# KiCad board mxm_immobilizer.kicad_pcb
title: MXM Immobilizer; rev: v1; company: WifiCable
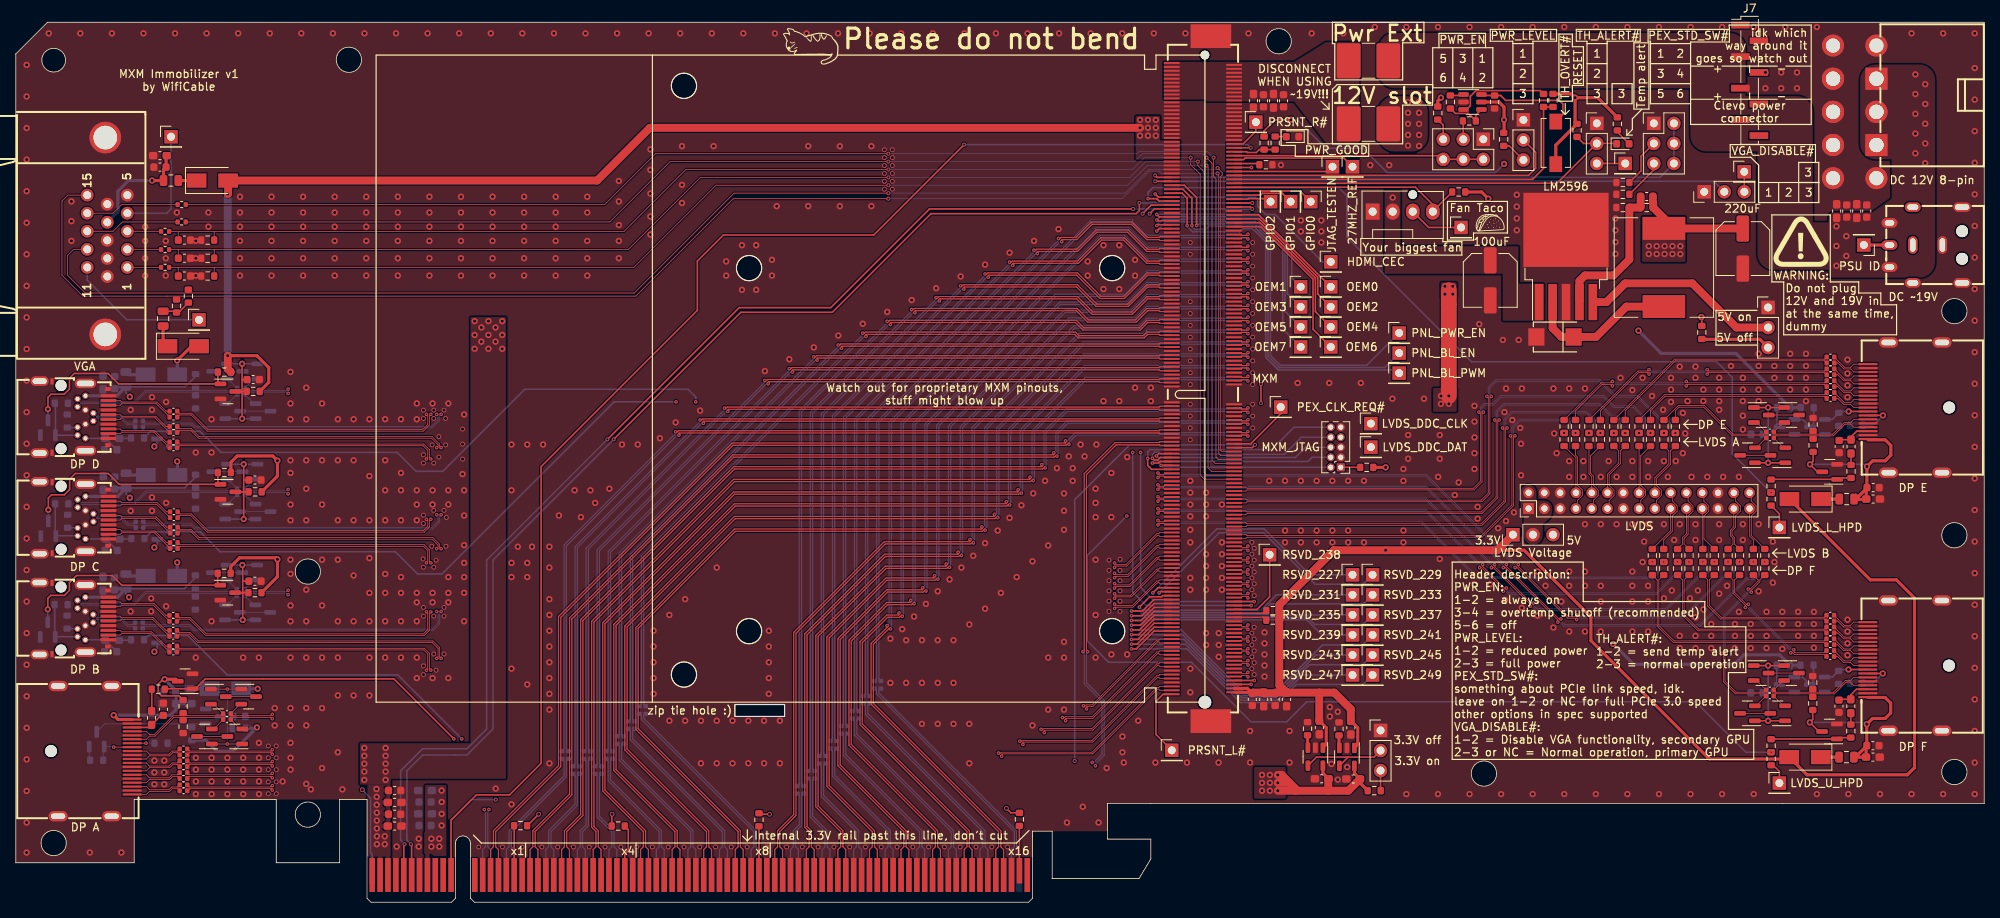
[diagram p0: board, top side]
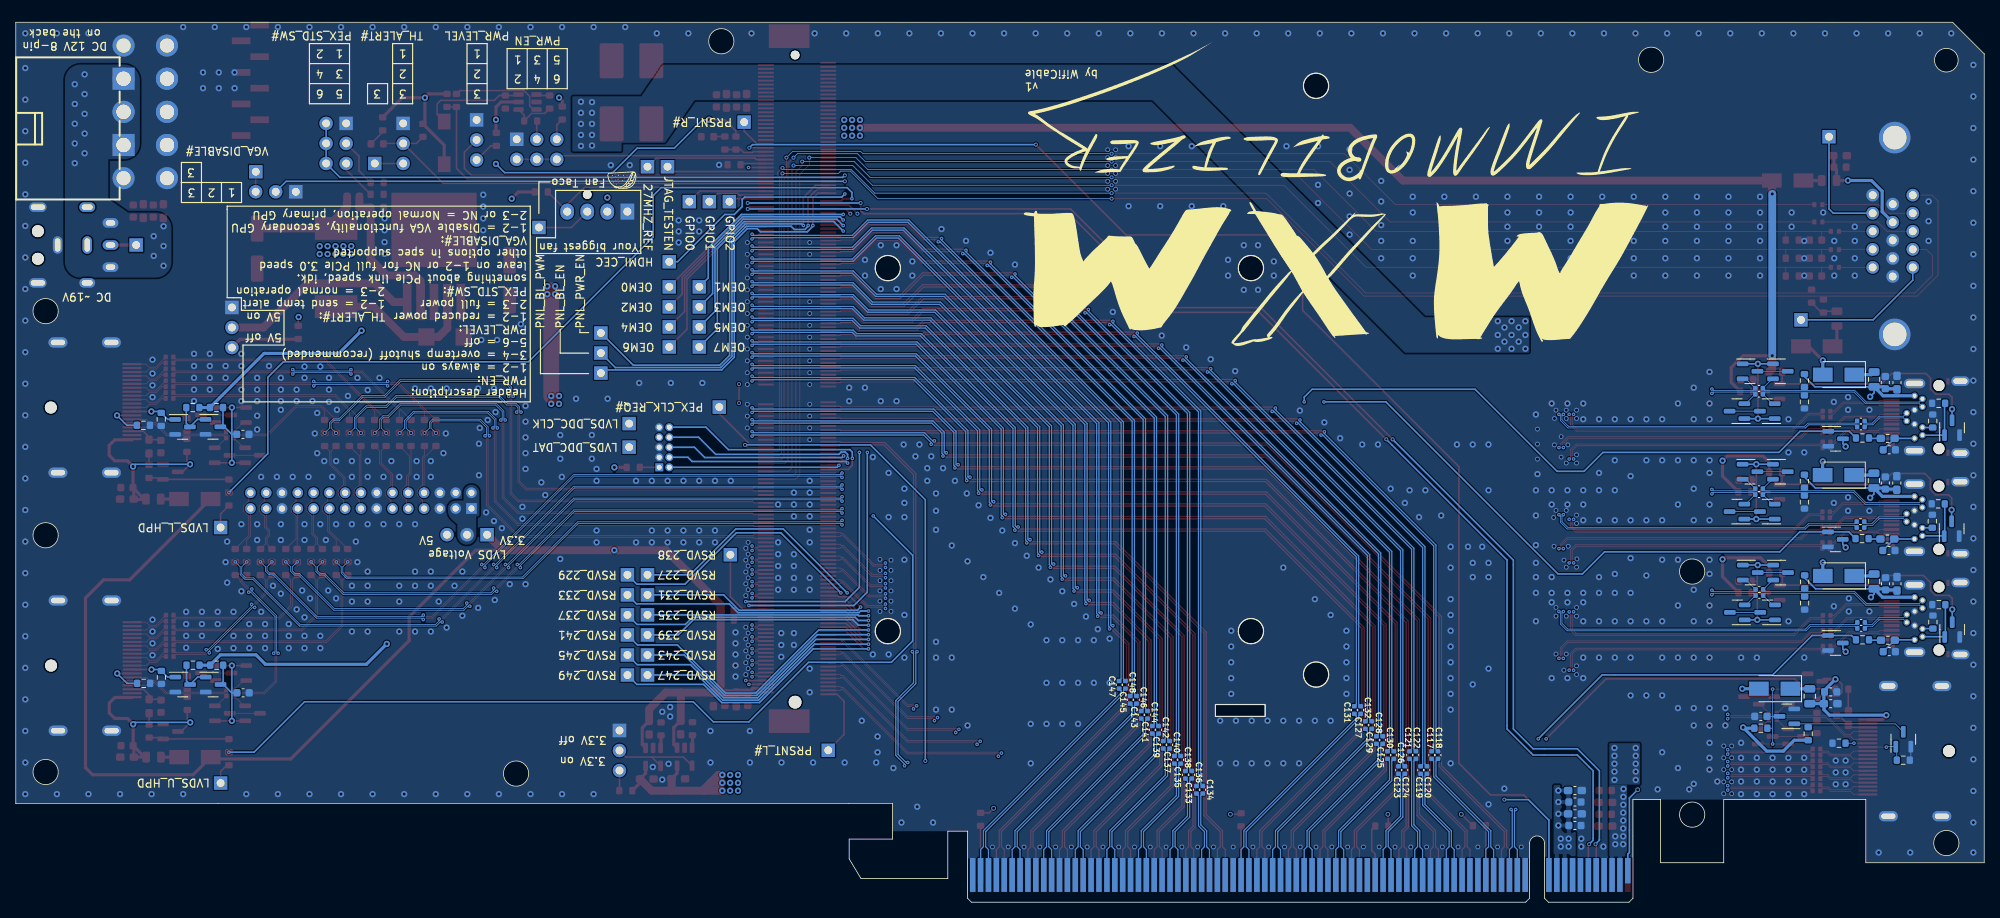
[diagram p1: board, bottom side, seen from below]

Outline 249.38 x 111.5 mm; copper layers: Top, In1.Cu, In2.Cu, In3.Cu, In4.Cu, Bottom. Coordinates in mm from the lower left corner of the outline.
Outline path: circle c4.8,106.7 r1.5 ; circle c4.8,7.5 r1.6 ; circle c37,41.9 r1.6 ; circle c37,11.1 r1.6 ; circle c42.2,106.75 r1.6 ; circle c84.65,103.45 r1.6 ; circle c84.65,28.85 r1.6 ; rectangle 91.1,25.05 97.4,23.55 ; circle c92.9,80.35 r1.6 ; circle c92.9,34.35 r1.6 ; circle c138.9,80.35 r1.6 ; circle c138.9,34.35 r1.6 ; circle c160,109.1 r1.6 ; circle c186,16.3 r1.6 ; circle c245.6,74.9 r1.6 ; circle c245.6,46.5 r1.6 ; circle c245.6,16.5 r1.6 ; 44.5,8.4 44.5,13 41,13 41,5 33,5 33,13 15,13 15,5 0,5 0,107.5 4,111.5 249.38,111.5 249.38,12.5 138.3,12.5 138.3,8 143.8,8 143.8,5.5 142.3,3 131.3,3 131.3,9 128.8,9 128.8,8.4
Stack: Top 0.035mm / dielectric 0.0994mm FR4 er 4.5 / In1.Cu 0.0152mm / dielectric 0.55mm FR4 er 4.5 / In2.Cu 0.0152mm / dielectric 0.1088mm FR4 er 4.5 / In3.Cu 0.0152mm / dielectric 0.55mm FR4 er 4.5 / In4.Cu 0.0152mm / dielectric 0.0994mm FR4 er 4.5 / Bottom 0.035mm

## Placement (name value [footprint] x y rotation side)
8-Pin-PWR1  HC-5557-2*4AW  [CONN-TH_8P-P4.20_5557-2X4AW]  232.98 102.25 90 top
8-Pin-PWR1#2  HC-5557-2*4AW  [CONN-TH_8P-P4.20_5557-2X4AW]  232.98 98.05 270 bottom
C1  10U  [C_0603_1608Metric_Pad1.08x0.95mm_HandSolder]  18.27 94.6 0 top
C2  100n  [C_0603_1608Metric]  18.27 93.15 0 top
C3  22P  [C_0603_1608Metric]  21.36 83.9 180 top
C4  100n  [C_0603_1608Metric]  12.53 65.85 270 bottom
C5  100n  [C_0603_1608Metric]  12.53 53.12 270 bottom
C6  100n  [C_0603_1608Metric]  12.5 40.35 270 bottom
C7  10U  [C_0603_1608Metric_Pad1.08x0.95mm_HandSolder]  19.45 25.15 180 bottom
C8  100n  [C_0603_1608Metric]  19.45 26.65 180 bottom
C9  0.1U  [C_0402_1005Metric]  19.97 62.22 180 top
C10  0.1U  [C_0402_1005Metric]  19.97 61.47 180 top
C11  0.1U  [C_0402_1005Metric]  15.63 60.97 180 bottom
C12  0.1U  [C_0402_1005Metric]  19.97 60.27 180 top
C13  0.1U  [C_0402_1005Metric]  15.63 60.22 180 bottom
C14  0.1U  [C_0402_1005Metric]  19.97 59.52 180 top
C15  0.1U  [C_0402_1005Metric]  19.97 58.32 180 top
C16  0.1U  [C_0402_1005Metric]  19.97 57.57 180 top
C17  220P  [C_0603_1608Metric]  12.03 57.32 180 bottom
C18  0.1U  [C_0402_1005Metric]  20.03 49.47 180 top
C19  0.1U  [C_0402_1005Metric]  20.03 48.72 180 top
C20  0.1U  [C_0402_1005Metric]  15.68 48.22 180 bottom
C21  0.1U  [C_0402_1005Metric]  20.03 47.52 180 top
C22  0.1U  [C_0402_1005Metric]  15.68 47.47 180 bottom
C23  0.1U  [C_0402_1005Metric]  20.03 46.77 180 top
C24  0.1U  [C_0402_1005Metric]  20.03 45.57 180 top
C25  0.1U  [C_0402_1005Metric]  20.03 44.82 180 top
C26  220P  [C_0603_1608Metric]  12.07 44.57 180 bottom
C27  0.1U  [C_0402_1005Metric]  19.95 36.35 180 top
C28  0.1U  [C_0402_1005Metric]  19.95 35.6 180 top
C29  0.1U  [C_0402_1005Metric]  15.6 35.45 180 bottom
C30  0.1U  [C_0402_1005Metric]  19.95 34.45 180 top
C31  0.1U  [C_0402_1005Metric]  15.6 34.7 180 bottom
C32  0.1U  [C_0402_1005Metric]  19.95 33.7 180 top
C33  0.1U  [C_0402_1005Metric]  19.95 32.45 180 top
C34  0.1U  [C_0402_1005Metric]  19.95 31.7 180 top
C35  220P  [C_0603_1608Metric]  12.03 31.75 180 bottom
C36  0.1U  [C_0402_1005Metric]  21.25 19.42 180 top
C37  0.1U  [C_0402_1005Metric]  21.25 18.67 180 top
C38  0.1U  [C_0402_1005Metric]  21.25 17.92 180 top
C39  0.1U  [C_0402_1005Metric]  21.25 17.17 180 top
C40  0.1U  [C_0402_1005Metric]  21.25 16.42 180 top
C41  0.1U  [C_0402_1005Metric]  21.25 15.67 180 top
C42  0.1U  [C_0402_1005Metric]  21.25 14.87 180 top
C43  0.1U  [C_0402_1005Metric]  21.25 14.12 180 top
C44  22P  [C_0603_1608Metric]  21.36 81.6 180 top
C45  10U  [C_0603_1608Metric_Pad1.08x0.95mm_HandSolder]  11.05 65.85 270 bottom
C46  10U  [C_0603_1608Metric_Pad1.08x0.95mm_HandSolder]  11.07 53.12 270 bottom
C47  10U  [C_0603_1608Metric_Pad1.08x0.95mm_HandSolder]  11.05 40.35 270 bottom
C48  22P  [C_0603_1608Metric]  21.36 79.35 180 top
C49  220P  [C_0603_1608Metric]  18.7 24.45 270 top
C50  0.1U  [C_0402_1005Metric]  28.53 65.12 180 bottom
C51  0.1U  [C_0402_1005Metric]  28.53 64.37 180 bottom
C52  0.1U  [C_0402_1005Metric]  28.53 52.4 180 bottom
C53  0.1U  [C_0402_1005Metric]  28.53 51.65 180 bottom
C54  0.1U  [C_0402_1005Metric]  28.49 39.62 180 bottom
C55  0.1U  [C_0402_1005Metric]  28.49 38.87 180 bottom
C56  0.1U  [C_0402_1005Metric]  26.75 23.9 180 top
C57  0.1U  [C_0402_1005Metric]  26.75 23.15 180 top
C58  0.1U  [C_0603_1608Metric]  30.07 66.22 180 top
C59  0.1U  [C_0603_1608Metric]  30.3 53.5 180 top
C60  0.1U  [C_0603_1608Metric]  30.3 40.67 180 top
C61  0.1U  [C_0603_1608Metric]  28.3 23.55 180 bottom
C62  100n  [C_0603_1608Metric]  158.07 101.55 270 top
C63  10U  [C_0603_1608Metric_Pad1.08x0.95mm_HandSolder]  156.8 101.55 270 top
C64  100n  [C_0603_1608Metric]  160.61 101.55 270 top
C65  10U  [C_0603_1608Metric_Pad1.08x0.95mm_HandSolder]  159.34 101.55 270 top
C66  100n  [C_0603_1608Metric]  159.55 25.7 270 top
C67  10U  [C_0603_1608Metric_Pad1.08x0.95mm_HandSolder]  161 25.7 270 top
C68  100n  [C_0603_1608Metric]  156.65 25.7 270 top
C69  10U  [C_0603_1608Metric_Pad1.08x0.95mm_HandSolder]  158.1 25.7 270 top
C70  10U  [C_0603_1608Metric_Pad1.08x0.95mm_HandSolder]  169.44 15.61 180 top
C71  10U  [C_0603_1608Metric_Pad1.08x0.95mm_HandSolder]  165.45 15.64 180 top
C72  10U  [C_0603_1608Metric_Pad1.08x0.95mm_HandSolder]  169.14 22.11 270 top
C73  10U  [C_0603_1608Metric_Pad1.08x0.95mm_HandSolder]  165.15 22.14 270 top
C74  10U  [C_0603_1608Metric_Pad1.08x0.95mm_HandSolder]  230.69 87.58 90 top
C75  100n  [C_0603_1608Metric]  231.96 87.58 90 top
C76  100n  [C_0603_1608Metric]  51.85 9.72 0 bottom
C77  100n  [C_0603_1608Metric]  48 14.15 0 top
C78  10U  [C_0603_1608Metric_Pad1.08x0.95mm_HandSolder]  233.23 87.58 90 top
C79  0.1U  [C_0603_1608Metric]  220.6 59.28 0 bottom
C80  0.1U  [C_0603_1608Metric]  220.58 26.54 0 bottom
C81  10U  [C_0603_1608Metric_Pad1.08x0.95mm_HandSolder]  51.85 11.2 0 bottom
C82  10U  [C_0603_1608Metric_Pad1.08x0.95mm_HandSolder]  48 12.65 0 top
C83  100n  [C_0603_1608Metric]  234.5 87.58 90 top
C84  100n  [C_0603_1608Metric]  51.85 12.7 0 bottom
C85  100n  [C_0603_1608Metric]  48 11.15 0 top
C86  10U  [C_0603_1608Metric_Pad1.08x0.95mm_HandSolder]  51.85 14.15 0 bottom
C87  10U  [C_0603_1608Metric_Pad1.08x0.95mm_HandSolder]  48 9.65 0 top
C88  0.1U  [C_0402_1005Metric]  222.24 59.58 0 top
C89  0.1U  [C_0402_1005Metric]  222.24 58.83 0 top
C90  0.1U  [C_0402_1005Metric]  222.22 26.89 0 top
C91  0.1U  [C_0402_1005Metric]  222.22 26.14 0 top
C92  100U  [C_Elec_6.3x7.7]  186.8 78.8 270 top
C93  220P  [C_0603_1608Metric]  231 57.73 90 top
C94  220P  [C_0603_1608Metric]  230.98 24.84 90 top
C95  220U  [C_Elec_6.3x7.7]  218.8 82.82 270 top
C96  0.1U  [C_0402_1005Metric]  229.9 69.08 0 top
C97  0.1U  [C_0402_1005Metric]  229.9 68.33 0 top
C98  0.1U  [C_0402_1005Metric]  229.9 67.58 0 top
C99  0.1U  [C_0402_1005Metric]  229.9 66.83 0 top
C100  0.1U  [C_0402_1005Metric]  229.9 66.08 0 top
C101  0.1U  [C_0402_1005Metric]  229.9 65.33 0 top
C102  0.1U  [C_0402_1005Metric]  229.9 64.58 0 top
C103  0.1U  [C_0402_1005Metric]  229.9 63.83 0 top
C104  0.1U  [C_0402_1005Metric]  229.88 36.38 0 top
C105  0.1U  [C_0402_1005Metric]  229.88 35.63 0 top
C106  0.1U  [C_0402_1005Metric]  229.88 34.88 0 top
C107  0.1U  [C_0402_1005Metric]  229.88 34.13 0 top
C108  0.1U  [C_0402_1005Metric]  229.88 33.38 0 top
C109  0.1U  [C_0402_1005Metric]  229.88 32.64 0 top
C110  0.1U  [C_0402_1005Metric]  229.88 31.89 0 top
C111  0.1U  [C_0402_1005Metric]  229.88 31.14 0 top
C112  10U  [C_0603_1608Metric_Pad1.08x0.95mm_HandSolder]  235.3 51.08 180 top
C113  100n  [C_0603_1608Metric]  235.3 52.53 180 top
C114  10U  [C_0603_1608Metric_Pad1.08x0.95mm_HandSolder]  235.28 18.39 180 top
C115  100n  [C_0603_1608Metric]  235.28 19.84 180 top
C116  5nF  [C_0603_1608Metric]  206.62 89.42 0 top
C117  0.22uF  [C_0402_1005Metric]  70 18.65 90 bottom
C118  0.22uF  [C_0402_1005Metric]  69.2 18.65 90 bottom
C119  0.22uF  [C_0402_1005Metric]  71.4 16.75 90 bottom
C120  0.22uF  [C_0402_1005Metric]  70.6 16.75 90 bottom
C121  0.22uF  [C_0402_1005Metric]  72.8 18.65 90 bottom
C122  0.22uF  [C_0402_1005Metric]  72 18.65 90 bottom
C123  0.22uF  [C_0402_1005Metric]  74.2 16.75 90 bottom
C124  0.22uF  [C_0402_1005Metric]  73.4 16.75 90 bottom
C125  0.22uF  [C_0402_1005Metric]  75.6 18.65 90 bottom
C126  0.22uF  [C_0402_1005Metric]  74.8 18.65 90 bottom
C127  0.22uF  [C_0402_1005Metric]  78.4 22.45 90 bottom
C128  0.22uF  [C_0402_1005Metric]  77.6 22.45 90 bottom
C129  0.22uF  [C_0402_1005Metric]  77 20.55 90 bottom
C130  0.22uF  [C_0402_1005Metric]  76.2 20.55 90 bottom
C131  0.22uF  [C_0402_1005Metric]  79.8 24.35 90 bottom
C132  0.22uF  [C_0402_1005Metric]  79 24.35 90 bottom
C133  0.22uF  [C_0402_1005Metric]  99.8 14.25 90 bottom
C134  0.22uF  [C_0402_1005Metric]  99 14.25 90 bottom
C135  0.22uF  [C_0402_1005Metric]  101.2 16.15 90 bottom
C136  0.22uF  [C_0402_1005Metric]  100.4 16.15 90 bottom
C137  0.22uF  [C_0402_1005Metric]  102.6 18.05 90 bottom
C138  0.22uF  [C_0402_1005Metric]  101.8 18.05 90 bottom
C139  0.22uF  [C_0402_1005Metric]  104 19.95 90 bottom
C140  0.22uF  [C_0402_1005Metric]  103.2 19.95 90 bottom
C141  0.22uF  [C_0402_1005Metric]  105.4 21.85 90 bottom
C142  0.22uF  [C_0402_1005Metric]  104.6 21.85 90 bottom
C143  0.22uF  [C_0402_1005Metric]  106.8 23.75 90 bottom
C144  0.22uF  [C_0402_1005Metric]  106 23.75 90 bottom
C145  0.22uF  [C_0402_1005Metric]  108.2 25.65 90 bottom
C146  0.22uF  [C_0402_1005Metric]  107.4 25.65 90 bottom
C147  0.22uF  [C_0402_1005Metric]  109.6 27.55 90 bottom
C148  0.22uF  [C_0402_1005Metric]  108.8 27.55 90 bottom
D1  D  [D_SMA]  24.9 91.45 0 top
D2  D  [D_SMA]  18.45 41.35 0 bottom
D3  D  [D_SMA]  26.55 27.05 0 bottom
D4  D  [D_SMA]  18.45 66.85 0 bottom
D5  D  [D_SMA]  18.47 54.12 0 bottom
D6  D  [D_SMA]  21.21 70.45 0 top
D7  D_Dual_Series_CAK_Parallel  [SOT-23]  18.82 58.72 180 bottom
D8  D_Dual_Series_CAK_Parallel  [SOT-23]  18.86 45.97 180 bottom
D9  D_Dual_Series_CAK_Parallel  [SOT-23]  18.85 32.85 180 bottom
D10  D_Dual_Series_CAK_Parallel  [SOT-23]  21.45 28 180 top
D11  LED  [LED_0603_1608Metric]  161.75 97 180 top
D12  LED  [LED_0603_1608Metric]  203.6 96.1 0 top
D13  D_Dual_Series_CAK_Parallel  [SOT-23]  229.8 54.53 180 top
D14  D_Dual_Series_CAK_Parallel  [SOT-23]  229.78 21.64 180 top
D15  SS52-C51497  [SMB_L4.6-W3.6-LS5.3-RD]  195 71.62 180 top
D16  D  [D_SMA]  226.7 51.08 180 top
D17  D  [D_SMA]  226.68 18.39 180 top
DC1  DC-042E  [DC-IN-TH_DC-042E]  241.98 83.28 90 top
DP_A1  HYC16-DP20-178  [DP-SMD_HYC16-DP20-178]  10.05 19.15 270 top
DP_E1  HYC16-DP20-178  [DP-SMD_HYC16-DP20-178]  239.35 62.68 90 top
DP_F1  HYC16-DP20-178  [DP-SMD_HYC16-DP20-178]  239.33 29.99 90 top
F1  Polyfuse  [Fuse_0805_2012Metric]  19.65 91.45 0 top
F2  Polyfuse  [Fuse_0805_2012Metric]  13.95 40.65 270 bottom
F3  Polyfuse  [Fuse_0805_2012Metric]  22.1 26.1 270 bottom
F4  Polyfuse  [Fuse_0805_2012Metric]  13.95 66.25 270 bottom
F5  Polyfuse  [Fuse_0805_2012Metric]  13.97 53.42 270 bottom
F6  Polyfuse  [Fuse_0805_2012Metric]  18.67 73.95 90 top
F7  Polyfuse  [Fuse_0805_2012Metric]  231.95 51.08 0 top
F8  Polyfuse  [Fuse_0805_2012Metric]  231.93 18.39 0 top
FB1  FerriteBead  [R_0402_1005Metric]  18.92 85 0 top
FB2  FerriteBead  [R_0402_1005Metric]  18.92 82.7 0 top
FB3  FerriteBead  [R_0402_1005Metric]  18.92 80.45 0 top
FB4  FerriteBead  [R_0402_1005Metric]  21.02 86.2 0 top
FB5  FerriteBead  [R_0402_1005Metric]  21.02 88.4 0 top
G***  -  [LOGO]  226.18 83.7 0 top
G***#2  -  [LOGO]  186.78 86.1 0 top
G***#3  -  [LOGO]  100.66 108.55 0 top
G***#4  -  [LOGO]  81.31 90.79 0 bottom
G***#5  -  [LOGO]  172.58 91.5 0 bottom
J1  PEX_STD_SW#_SWITCH  [PinHeader_2x03_P2.54mm_Vertical]  207.53 98.69 0 top
J2  VGA_DISABLE#_SWITCH  [PinHeader_1x03_P2.54mm_Vertical]  213.91 90.02 90 top
J3  3V3_SWITCH  [PinHeader_1x03_P2.54mm_Vertical]  172.9 21.76 0 top
J4  PWR_LEVEL_SWITCH  [PinHeader_1x03_P2.54mm_Vertical]  191 99.13 0 top
J5  PWR_EN_SWITCH  [PinHeader_2x03_P2.54mm_Vertical]  185.92 96.67 270 top
J6  TH_ALERT#_SWITCH  [PinHeader_1x03_P2.54mm_Vertical]  200.3 98.69 0 top
J7  Clevo_MXM_PWR  [PinHeader_1x08_P2.00mm_Vertical_SMD_Pin1Left]  219.66 104.15 0 top
J8  MXM_JTAG  [PinHeader_2x05_P1.27mm_Vertical]  167.86 55.11 180 top
J9  5V_SWITCH  [PinHeader_1x03_P2.54mm_Vertical]  222 75.36 0 top
J10  LVDS_VOLTAGE_SWITCH  [PinHeader_1x03_P2.54mm_Vertical]  189.67 46.57 90 top
J11  LVDS_header_30p  [PinHeader_2x15_P2.00mm_Vertical]  191.65 49.88 90 top
L1  10UH  [L_0603_1608Metric_Pad1.05x0.95mm_HandSolder]  12.22 58.77 0 bottom
L2  10UH  [L_0603_1608Metric_Pad1.05x0.95mm_HandSolder]  12.28 46.02 0 bottom
L3  10UH  [L_0603_1608Metric_Pad1.05x0.95mm_HandSolder]  12.2 33.2 0 bottom
L4  10UH  [L_0603_1608Metric_Pad1.05x0.95mm_HandSolder]  17.2 23.35 90 top
L5  33uH  [L_12x12mm_H8mm]  208.8 80.42 90 top
L6  10UH  [L_0603_1608Metric_Pad1.05x0.95mm_HandSolder]  232.5 57.73 270 top
L7  10UH  [L_0603_1608Metric_Pad1.05x0.95mm_HandSolder]  232.48 24.84 270 top
M1  Fan_Tacho_PWM  [FanPinHeader_1x04_P2.54mm_Vertical]  171.9 87.51 0 top
mDP_B1  3VM11201-D730-7H  [CONN-SMD_3VM11201-D730-7H]  7.37 35.95 270 top
mDP_C1  3VM11201-D730-7H  [CONN-SMD_3VM11201-D730-7H]  7.39 48.72 270 top
mDP_D1  3VM11201-D730-7H  [CONN-SMD_3VM11201-D730-7H]  7.38 61.47 270 top
MXM1  AS0B826-S78B-7H  [CONN-SMD_AS0B826-S78B-7H]  150.4 66.35 270 top
PCIe_x16_1  Bus_PCI_Express_x16  [BUS_PCIexpress_x16]  45.15 3.45 0 top
Q1  2N7002  [SOT-23]  4.07 60.12 90 bottom
Q2  2N7002  [SOT-23]  4.12 47.32 90 bottom
Q3  2N7002  [SOT-23]  4.05 34.55 90 bottom
Q4  2N7002  [SOT-23]  10.25 20.65 90 bottom
Q5  2N7002  [SOT-23]  26.88 64.72 0 top
Q6  2N7002  [SOT-23]  26.88 52 0 top
Q7  2N7002  [SOT-23]  26.85 39.22 0 top
Q8  2N7002  [SOT-23]  25 23.55 0 bottom
Q9  2N7002  [SOT-23]  25.82 67.27 180 bottom
Q10  2N7002  [SOT-23]  27.47 62.22 0 bottom
Q11  2N7002  [SOT-23]  25.82 54.55 180 bottom
Q12  2N7002  [SOT-23]  27.47 49.5 0 bottom
Q13  2N7002  [SOT-23]  25.79 41.77 180 bottom
Q14  2N7002  [SOT-23]  27.44 36.72 0 bottom
Q15  2N7002  [SOT-23]  25.66 26.05 0 top
Q16  2N7002  [SOT-23]  23.9 21 180 top
Q17  2N7002  [SOT-23]  29.68 67.27 180 bottom
Q18  2N7002  [SOT-23]  31.32 62.22 0 bottom
Q19  2N7002  [SOT-23]  29.68 54.55 180 bottom
Q20  2N7002  [SOT-23]  31.32 49.5 0 bottom
Q21  2N7002  [SOT-23]  29.64 41.77 180 bottom
Q22  2N7002  [SOT-23]  31.29 36.72 0 bottom
Q23  2N7002  [SOT-23]  29.5 26.05 0 top
Q24  2N7002  [SOT-23]  27.75 21 180 top
Q25  2N7002  [SOT-23]  221.14 61.73 0 top
Q26  2N7002  [SOT-23]  219.39 56.63 180 top
Q27  2N7002  [SOT-23]  221.12 29.04 0 top
Q28  2N7002  [SOT-23]  219.38 23.94 180 top
Q29  2N7002  [SOT-23]  224.99 61.73 0 top
Q30  2N7002  [SOT-23]  223.24 56.63 180 top
Q31  2N7002  [SOT-23]  224.97 29.04 0 top
Q32  2N7002  [SOT-23]  223.22 23.94 180 top
Q33  2N7002  [SOT-23]  224.4 60.23 180 bottom
Q34  2N7002  [SOT-23]  224.38 27.59 180 bottom
Q35  2N7002  [SOT-23]  228.25 60.23 180 bottom
Q36  2N7002  [SOT-23]  228.23 27.59 180 bottom
R1  10K  [R_0603_1608Metric]  20.36 75.55 270 top
R2  10K  [R_0603_1608Metric]  21.86 76.8 90 top
R3  5.1M  [R_0603_1608Metric]  18.4 20.15 180 bottom
R4  10K  [R_0603_1608Metric]  15.43 58.82 180 bottom
R5  10K  [R_0603_1608Metric]  15.47 46.07 180 bottom
R6  10K  [R_0603_1608Metric]  15.43 33.25 180 bottom
R7  150  [R_0603_1608Metric]  24.32 83.9 0 top
R8  5.1M  [R_0603_1608Metric]  6.53 60.97 270 bottom
R9  5.1M  [R_0603_1608Metric]  6.57 48.27 270 bottom
R10  5.1M  [R_0603_1608Metric]  6.5 35.5 270 bottom
R11  150  [R_0603_1608Metric]  24.32 81.6 0 top
R12  10K  [R_0603_1608Metric]  18.05 27 180 top
R13  150  [R_0603_1608Metric]  24.32 79.35 0 top
R14  1M  [R_0603_1608Metric]  10.25 18 0 bottom
R15  1M  [R_0603_1608Metric]  5.78 63.22 180 bottom
R16  1M  [R_0603_1608Metric]  5.82 50.47 180 bottom
R17  1M  [R_0603_1608Metric]  5.75 37.7 180 bottom
R18  10K  [R_0603_1608Metric]  22.3 21.35 270 bottom
R19  10K  [R_0603_1608Metric]  26.43 67.17 0 top
R20  10K  [R_0603_1608Metric]  26.43 54.45 0 top
R21  10K  [R_0603_1608Metric]  26.4 41.67 0 top
R22  100K  [R_0603_1608Metric]  22.78 66.1 270 bottom
R23  100K  [R_0603_1608Metric]  22.78 63.4 270 bottom
R24  10K  [R_0603_1608Metric]  30.07 64.72 0 top
R25  100K  [R_0603_1608Metric]  22.78 53.35 270 bottom
R26  100K  [R_0603_1608Metric]  22.78 50.7 270 bottom
R27  10K  [R_0603_1608Metric]  30.32 52 0 top
R28  100K  [R_0603_1608Metric]  22.75 40.6 270 bottom
R29  100K  [R_0603_1608Metric]  22.75 37.9 270 bottom
R30  10K  [R_0603_1608Metric]  30.3 39.22 0 top
R31  100K  [R_0603_1608Metric]  21.2 24.8 270 top
R32  100K  [R_0603_1608Metric]  21.2 22.25 270 top
R33  10K  [R_0603_1608Metric]  28.3 22.05 0 bottom
R34  147K  [R_0603_1608Metric]  203.6 89.7 0 top
R35  7.15K  [R_0603_1608Metric]  203.6 91.2 0 top
R36  0R  [R_2816_7142Metric]  171.38 98.63 180 top
R37  0R  [R_0603_1608Metric]  159.26 36.95 0 top
R38  0R  [R_0603_1608Metric]  159.25 35.75 0 top
R39  0R  [R_0603_1608Metric]  158.38 93.45 0 top
R40  0R  [R_2816_7142Metric]  171.38 106.63 0 top
R41  100K  [R_0603_1608Metric]  172.1 14.14 180 top
R42  10K  [R_0603_1608Metric]  182.8 90 180 top
R43  100K  [R_0603_1608Metric]  188.5 96.67 270 top
R44  10K  [R_0603_1608Metric]  158.15 96.2 270 top
R45  10K  [R_0603_1608Metric]  194.75 101.6 270 top
R46  1K  [R_0603_1608Metric]  159.55 96.2 90 top
R47  10K  [R_0603_1608Metric]  197.8 97.8 270 top
R48  0R  [R_0603_1608Metric]  193.55 101.6 90 top
R49  0R  [R_0603_1608Metric]  222.38 52.74 90 top
R50  0R  [R_0603_1608Metric]  222.38 51.09 270 top
R51  0R  [R_0603_1608Metric]  207.1 60.28 90 top
R52  0R  [R_0603_1608Metric]  205.65 60.28 90 top
R53  0R  [R_0603_1608Metric]  207.1 58.63 270 top
R54  0R  [R_0603_1608Metric]  205.65 58.63 270 top
R55  0R  [R_0603_1608Metric]  210.25 60.28 90 top
R56  0R  [R_0603_1608Metric]  208.8 60.28 90 top
R57  0R  [R_0603_1608Metric]  210.25 58.63 270 top
R58  0R  [R_0603_1608Metric]  208.8 58.63 270 top
R59  0R  [R_0603_1608Metric]  203.9 60.28 90 top
R60  0R  [R_0603_1608Metric]  202.45 60.28 90 top
R61  0R  [R_0603_1608Metric]  203.9 58.63 270 top
R62  0R  [R_0603_1608Metric]  202.45 58.63 270 top
R63  0R  [R_0603_1608Metric]  200.75 60.28 90 top
R64  0R  [R_0603_1608Metric]  199.3 60.28 90 top
R65  0R  [R_0603_1608Metric]  200.75 58.63 270 top
R66  0R  [R_0603_1608Metric]  199.3 58.63 270 top
R67  0R  [R_0603_1608Metric]  197.6 60.28 90 top
R68  0R  [R_0603_1608Metric]  196.15 60.28 90 top
R69  0R  [R_0603_1608Metric]  197.6 58.63 270 top
R70  0R  [R_0603_1608Metric]  196.15 58.63 270 top
R71  1K  [R_0603_1608Metric]  202.9 98.63 270 top
R72  10K  [R_0603_1608Metric]  180.15 100 270 top
R73  10K  [R_0603_1608Metric]  187.35 101.4 270 top
R74  3.4K  [R_0603_1608Metric]  167.64 21.96 270 top
R75  3.4K  [R_0603_1608Metric]  163.65 21.99 270 top
R76  0R  [R_0603_1608Metric]  181.75 101.4 90 top
R77  0R  [R_0603_1608Metric]  184.15 99 180 top
R78  0R  [R_0603_1608Metric]  222.38 19.84 90 top
R79  0R  [R_0603_1608Metric]  222.38 18.19 270 top
R80  0R  [R_0603_1608Metric]  216.93 42.29 270 top
R81  0R  [R_0603_1608Metric]  218.38 42.29 270 top
R82  0R  [R_0603_1608Metric]  216.93 43.94 90 top
R83  0R  [R_0603_1608Metric]  218.38 43.94 90 top
R84  0R  [R_0603_1608Metric]  220.13 42.29 270 top
R85  0R  [R_0603_1608Metric]  221.58 42.29 270 top
R86  0R  [R_0603_1608Metric]  220.13 43.94 90 top
R87  0R  [R_0603_1608Metric]  221.58 43.94 90 top
R88  0R  [R_0603_1608Metric]  213.73 42.29 270 top
R89  0R  [R_0603_1608Metric]  215.18 42.29 270 top
R90  0R  [R_0603_1608Metric]  213.73 43.94 90 top
R91  0R  [R_0603_1608Metric]  215.18 43.94 90 top
R92  0R  [R_0603_1608Metric]  210.53 42.29 270 top
R93  0R  [R_0603_1608Metric]  211.98 42.29 270 top
R94  0R  [R_0603_1608Metric]  210.53 43.94 90 top
R95  0R  [R_0603_1608Metric]  211.98 43.94 90 top
R96  0R  [R_0603_1608Metric]  207.33 42.29 270 top
R97  0R  [R_0603_1608Metric]  208.78 42.29 270 top
R98  0R  [R_0603_1608Metric]  207.33 43.94 90 top
R99  0R  [R_0603_1608Metric]  208.78 43.94 90 top
R100  0R  [R_0603_1608Metric]  171.15 55.1 0 top
R101  100K  [R_0603_1608Metric]  213.6 72.2 90 top
R102  0R  [R_0603_1608Metric]  63.95 9.7 0 top
R103  0R  [R_0603_1608Metric]  76.33 9.65 180 top
R104  0R  [R_0603_1608Metric]  94.15 10.45 90 top
R105  0R  [R_0603_1608Metric]  127.15 10.5 90 top
R106  10K  [R_0603_1608Metric]  223.95 62.68 0 bottom
R107  100K  [R_0603_1608Metric]  227.7 60.54 90 top
R108  100K  [R_0603_1608Metric]  227.7 57.89 90 top
R109  10K  [R_0603_1608Metric]  223.93 30.04 0 bottom
R110  100K  [R_0603_1608Metric]  227.66 27.84 90 top
R111  100K  [R_0603_1608Metric]  227.66 25.19 90 top
R112  10K  [R_0603_1608Metric]  226.95 62.68 180 bottom
R113  10K  [R_0603_1608Metric]  226.93 30.04 180 bottom
R114  1M  [R_0603_1608Metric]  230.95 61.18 270 bottom
R115  1M  [R_0603_1608Metric]  230.93 28.49 270 bottom
R116  10K  [R_0603_1608Metric]  232.5 54.58 90 top
R117  10K  [R_0603_1608Metric]  232.48 21.69 90 top
R118  3.1K  [R_0603_1608Metric]  206.62 88.02 180 top
R119  5.1M  [R_0603_1608Metric]  233.2 60.43 0 bottom
R120  5.1M  [R_0603_1608Metric]  233.18 27.74 0 bottom
R121  1K  [R_0603_1608Metric]  203.6 88.02 180 top
SW1  TH_OVERT#_RESET  [SW_SPST_EVQPE1]  195.1 96.22 90 top
TP1  VGA_ID2  [PinHeader_1x01_P2.54mm_Vertical]  19.67 97 0 top
TP2  VGA_ID0  [PinHeader_1x01_P2.54mm_Vertical]  23.21 73.8 0 top
TP3  VGA_DISABLE#_POS2  [PinHeader_1x01_P2.54mm_Vertical]  218.98 92.56 0 top
TP4  PNL_PWR_EN  [PinHeader_1x01_P2.54mm_Vertical]  175.26 72.13 0 top
TP5  PNL_BL_EN  [PinHeader_1x01_P2.54mm_Vertical]  175.26 69.59 0 top
TP6  PNL_BL_PWM  [PinHeader_1x01_P2.54mm_Vertical]  175.26 67.05 0 top